# Altium PCB MiniPC.PcbDoc (part 14 of 23)
Units mm, origin at the board's own origin, x right, y up, seen from the top; angles counter-clockwise.
Board outline 175 x 155 mm, 16 copper layers (1_Top, 2_int1_(gnd), 3_int2_(power), 4_int3_(gnd), 5_int4_(sign), 6_int5_(power), 7_int6_(sign), 8_int7_(power), 9_int8_(gnd), 10_int9_(sign), 11_int10_(gnd), 12_int11_(sign), 13_int12_(gnd), 14_int13_(power), 15_int14_(gnd), 16_Bottom), stack 2.008 mm thick; 1046 components, 841 nets, 6010 pads, 4016 vias.
Unrouted connection lines stored in the file: 602.
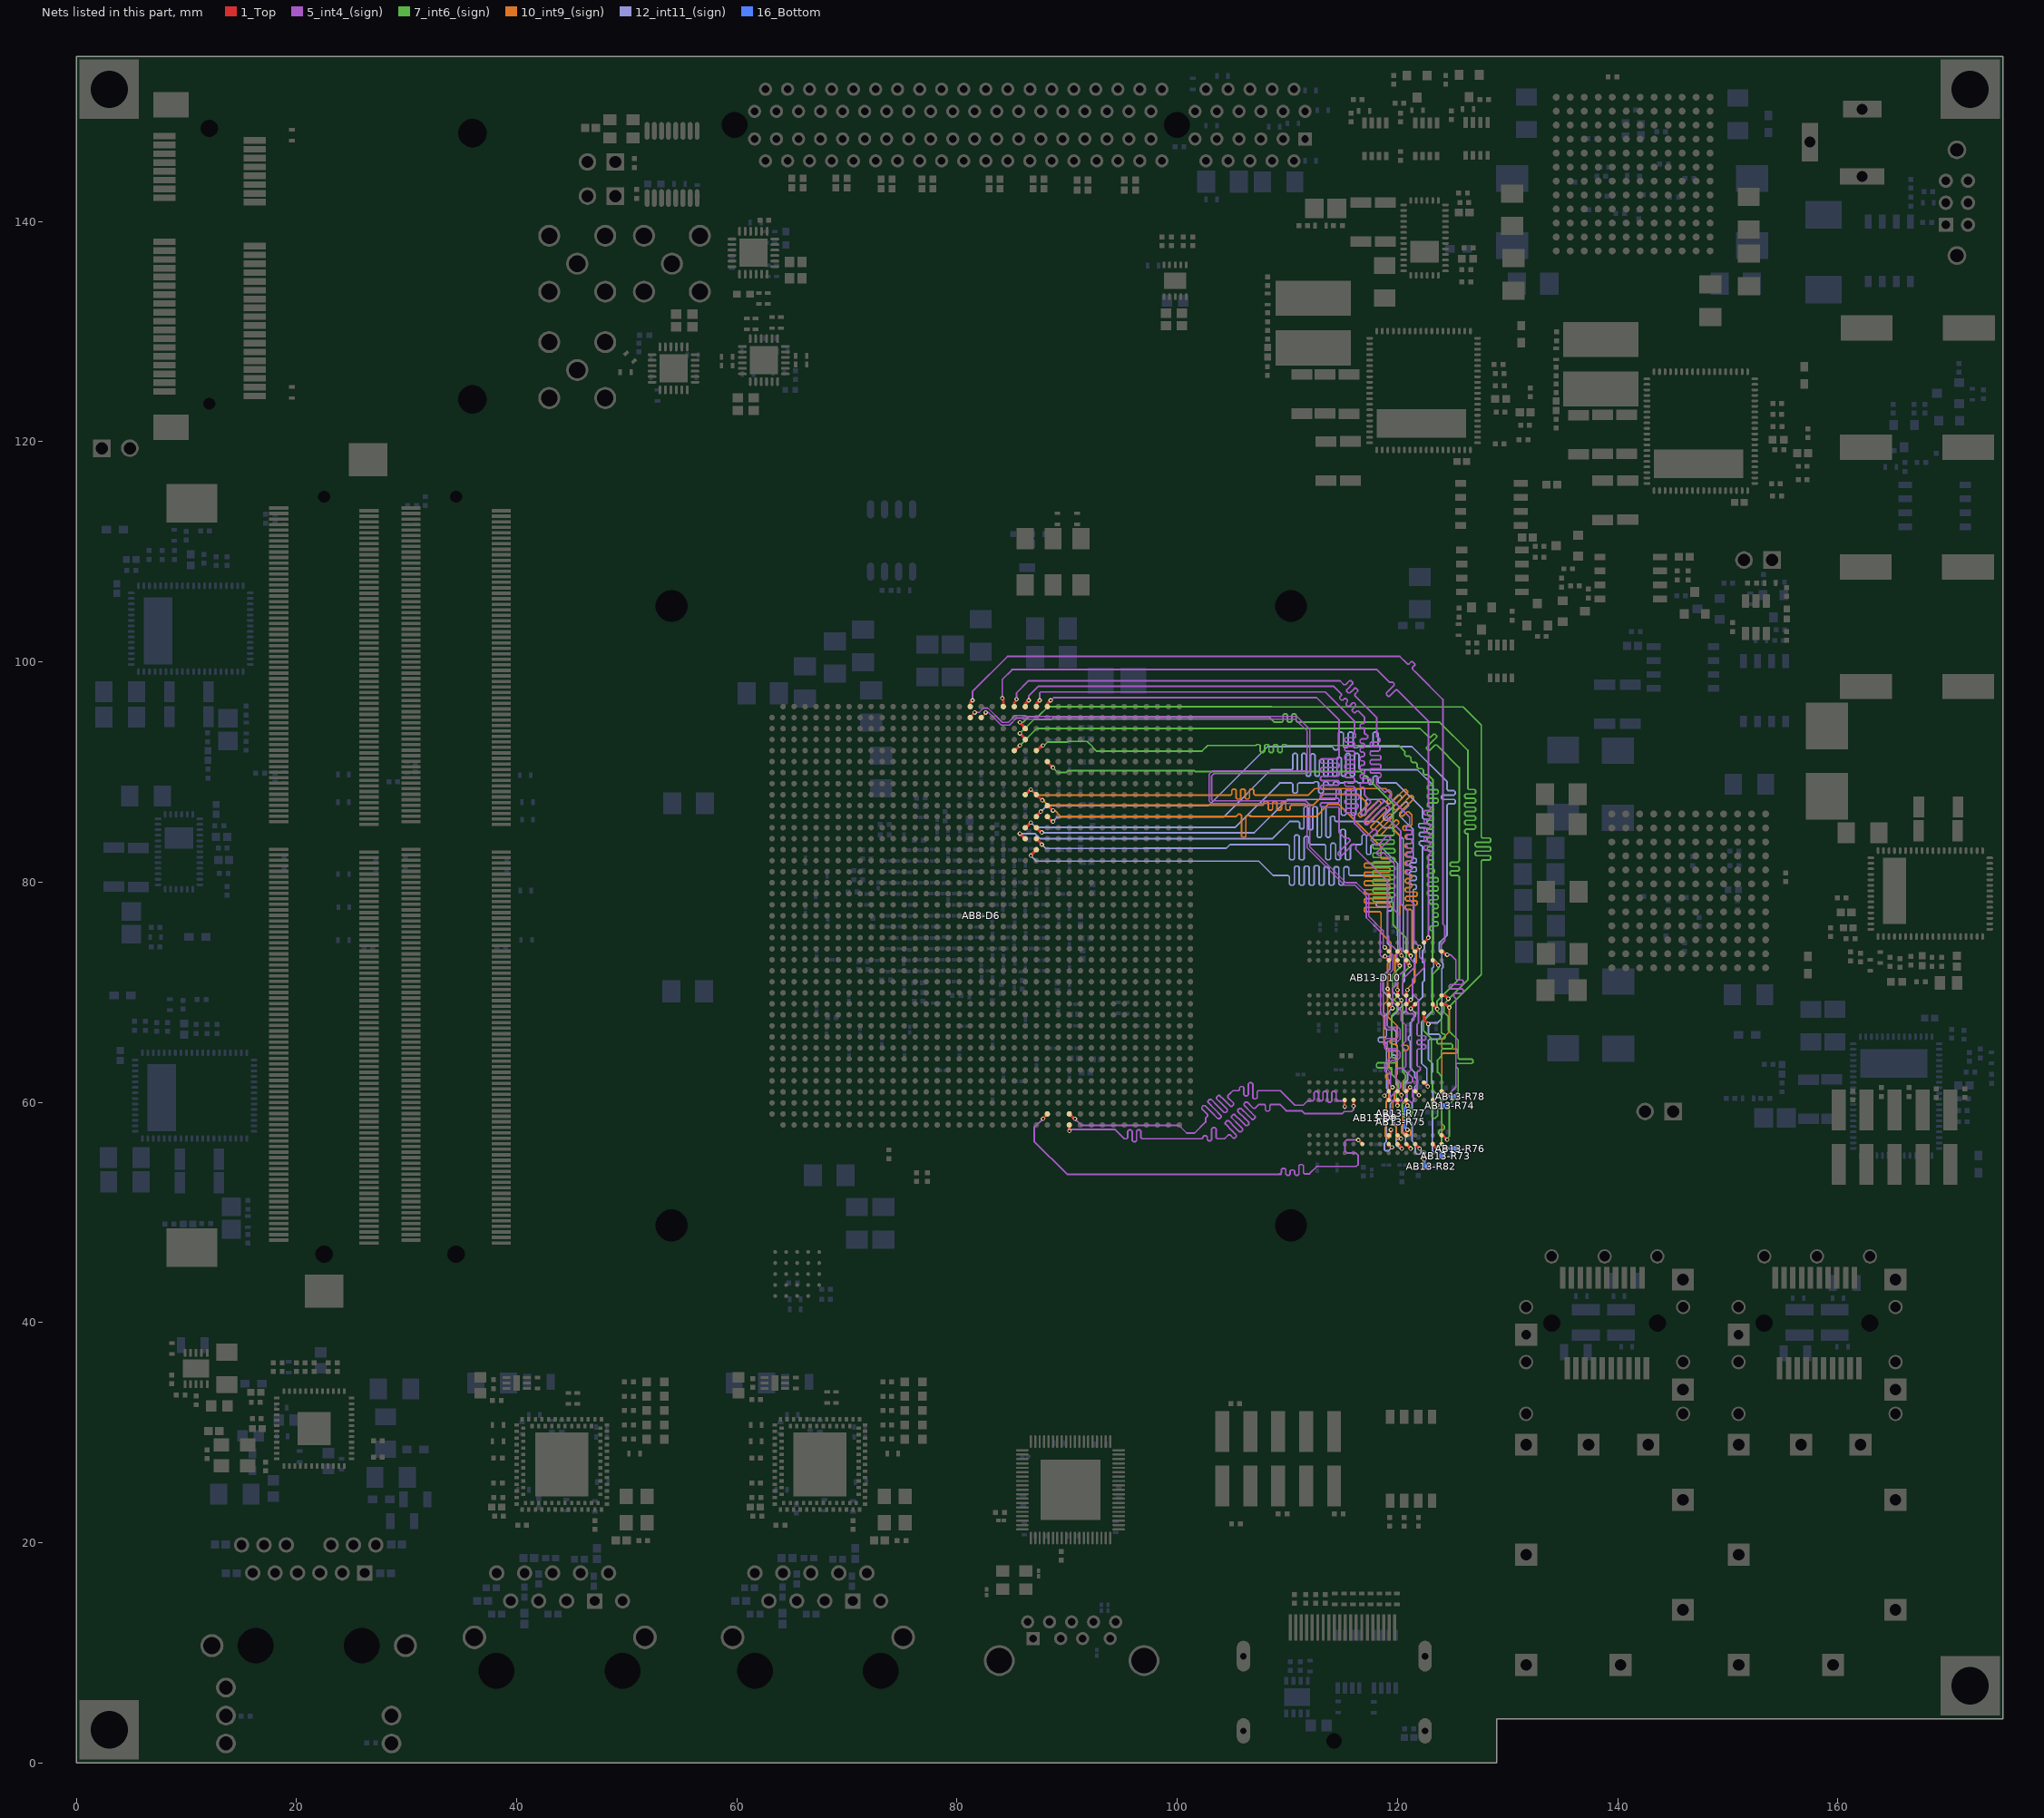
[diagram p28: the nets of this part, all layers, seen from the top]

## Via types
v1: diameter 0.4, hole 0.2, 1_Top to 16_Bottom, tented both sides, 1658 vias
v2: diameter 0.7, hole 0.3, 1_Top to 16_Bottom, tented both sides, 915 vias
v3: diameter 0.5, hole 0.2, 1_Top to 16_Bottom, tented both sides, 854 vias
v4: diameter 0.6, hole 0.2, 1_Top to 16_Bottom, 278 vias
v5: diameter 0.5, hole 0.2, 1_Top to 16_Bottom, 162 vias
v6: diameter 0.4, hole 0.2, 1_Top to 16_Bottom, 100 vias
v7: diameter 0.4/0/0/0/0/0/0/0/0/0/0/0/0/0/0/0.4 (per signal layer), hole 0.2, 1_Top to 16_Bottom, tented both sides, 18 vias
v8: diameter 0.4/0/0/0/0/0/0/0/0/0/0/0.4/0.4/0.4/0.4/0.4 (per signal layer), hole 0.2, 1_Top to 16_Bottom, tented both sides, 16 vias
v9: diameter 0.5, hole 0.254, 1_Top to 16_Bottom, 15 vias

## Nets (pads, with @x,y where several pads share a name; then routed paths per layer and width w, separated by ;. In a path a pad name is that pad's centre, name@x,y a point inside that pad or via, vN(x,y) a via of type N, cw(c..) or ccw(c..) an arc to the next point about the centre after c; other vN are vias at no path point) (continued)
DDR4_INT.ADDR.A8: AB8-D6.E23 AB13-D9.R2 AB13-D10.R2 AB13-R73.2 | length 89.8
  1_Top w0.25: AB8-D6.E23@85.194,91.939 85.239,91.939 v1(85.7,92.4) ; AB13-D9.R2@123.2,56.2 123.222,56.2 v1(123.6,55.822) ; AB13-D10.R2@123.2,68.9 123.6,68.5 v1(123.6,68.478)
  7_int6_(sign) w0.15: v1(85.7,92.4) 87.25,93.95 122.05,93.95 122.775,93.225 122.846,93.154 122.987,93.154 123.266,93.433 123.407,93.433 123.549,93.292 123.549,93.15 123.199,92.801 122.643,92.244 122.643,92.103 122.784,91.961 122.926,91.961 123.411,92.447 123.553,92.447 123.612,92.388 125.6,90.4 125.6,82.4 125.6,82.2 125.6,81.9 125.5,81.8 124.873,81.8 124.773,81.7 124.773,81.5 124.873,81.4 125.5,81.4 125.6,81.3 125.6,81.1 125.5,81 124.873,81 124.773,80.9 124.773,80.7 124.873,80.6 125.5,80.6 125.6,80.5 125.6,80.2 125.6,80.1 125.6,71.201 123.6,69.201 v1(123.6,68.478) 123.6,68.276 123.98,67.896 123.98,66.4 123.98,66.317 124.093,66.205 124.22,66.205 124.332,66.092 124.332,65.867 124.22,65.755 123.98,65.755 123.697,65.755 123.585,65.642 123.585,65.417 123.697,65.305 123.98,65.305 124.878,65.305 124.99,65.192 124.99,64.967 124.878,64.855 124.093,64.855 123.98,64.742 123.98,64.405 123.98,64.18 123.635,63.835 123.635,62.725 124.025,62.335 124.025,58.17 124.025,58.058 124.137,57.945 124.25,57.833 124.25,57.608 124.137,57.495 124.025,57.495 123.868,57.495 123.755,57.383 123.755,57.158 123.868,57.045 123.95,57.045 124.025,56.97 124.025,56.225 123.622,55.822 v1(123.6,55.822)
  16_Bottom w0.25: v1(123.6,55.822) 123.975,55.447 AB13-R73.2@123.975,55.1
DDR4_INT.ADDR.A9: AB8-D6.E25 AB13-D9.R7 AB13-D10.R7 AB13-R74.2 | length 97.4
  1_Top w0.25: AB8-D6.E25@87.194,91.939 87.261,91.939 87.721,92.4 v1(87.8,92.4) ; AB13-D9.R7@123.2,60.2 123.6,59.8 v1(123.6,59.75) ; v1(123.7,72.422) 123.392,72.73 ; 123.392,72.73 123.37,72.73 AB13-D10.R7@123.2,72.9 123.222,72.9 123.392,72.73
  7_int6_(sign) w0.15: v1(87.8,92.4) 87.8,92.3 88.2,92.7 89.984,92.7 90.065,92.781 91.82,92.781 92.3,92.301 92.3,92.245 92.645,91.9 102.25,91.9 102.75,92.4 106.925,92.4 107.125,92.4 107.215,92.49 107.435,92.49 107.525,92.4 107.525,91.869 107.625,91.769 107.825,91.769 107.925,91.869 107.925,92.4 108.015,92.49 108.235,92.49 108.325,92.4 108.325,91.869 108.425,91.769 108.625,91.769 108.725,91.869 108.725,92.4 108.815,92.49 109.035,92.49 109.125,92.4 109.125,91.869 109.225,91.769 109.425,91.769 109.525,91.869 109.525,92.4 109.615,92.49 109.835,92.49 109.925,92.4 111.7,92.4 120.115,92.4 120.3,92.215 120.441,92.074 120.654,91.861 120.654,91.72 120.648,91.715 120.648,91.573 120.789,91.432 120.931,91.432 120.936,91.437 121.078,91.437 121.219,91.296 121.219,91.154 121.214,91.149 121.214,91.007 121.355,90.866 121.497,90.866 121.502,90.872 121.644,90.872 121.785,90.73 121.785,90.589 121.779,90.583 121.779,90.442 121.921,90.3 122.062,90.3 122.068,90.306 122.209,90.306 122.351,90.164 122.351,90.023 122.345,90.018 122.345,89.876 122.487,89.735 122.628,89.735 122.633,89.74 122.775,89.74 122.987,89.528 123.225,89.29 123.225,89.2 123.225,88.9 123.125,88.8 122.8,88.8 122.7,88.7 122.7,88.5 122.8,88.4 123.225,88.4 123.59,88.4 123.69,88.3 123.69,88.1 123.59,88 123.225,88 122.81,88 122.71,87.9 122.71,87.7 122.81,87.6 123.225,87.6 123.59,87.6 123.69,87.5 123.69,87.3 123.59,87.2 123.225,87.2 122.81,87.2 122.71,87.1 122.71,86.9 122.81,86.8 123.125,86.8 123.225,86.7 123.225,86.5 123.125,86.4 122.81,86.4 122.71,86.3 122.71,86.1 122.81,86 123.125,86 123.225,85.9 123.225,85.7 123.125,85.6 122.81,85.6 122.71,85.5 122.71,85.3 122.81,85.2 123.125,85.2 123.225,85.1 123.225,84.9 123.125,84.8 122.81,84.8 122.71,84.7 122.71,84.5 122.81,84.4 123.125,84.4 123.225,84.3 123.225,84.1 123.125,84 122.81,84 122.71,83.9 122.71,83.7 122.81,83.6 123.125,83.6 123.225,83.5 123.225,83.3 123.125,83.2 122.81,83.2 122.71,83.1 122.71,82.9 122.81,82.8 123.125,82.8 123.225,82.7 123.225,82.5 123.125,82.4 122.81,82.4 122.71,82.3 122.71,82.1 122.81,82 123.125,82 123.225,81.9 123.225,81.7 123.125,81.6 122.81,81.6 122.71,81.5 122.71,81.3 122.81,81.2 123.225,81.2 123.232,81.2 123.332,81.1 123.332,80.9 123.232,80.8 123.225,80.8 122.81,80.8 122.71,80.7 122.71,80.5 122.81,80.4 123.225,80.4 123.59,80.4 123.69,80.3 123.69,80.1 123.59,80 123.225,80 122.81,80 122.71,79.9 122.71,79.7 122.81,79.6 123.225,79.6 123.59,79.6 123.69,79.5 123.69,79.3 123.59,79.2 123.225,79.2 122.81,79.2 122.71,79.1 122.71,78.9 122.81,78.8 123.225,78.8 123.59,78.8 123.69,78.7 123.69,78.5 123.59,78.4 123.225,78.4 122.999,78.4 122.899,78.3 122.899,78.1 122.999,78 123.225,78 123.59,78 123.69,77.9 123.69,77.7 123.59,77.6 123.325,77.6 123.225,77.5 123.225,77.3 123.325,77.2 123.59,77.2 123.69,77.1 123.69,76.9 123.59,76.8 123.325,76.8 123.225,76.7 123.225,76.5 123.325,76.4 123.59,76.4 123.69,76.3 123.69,76.1 123.59,76 123.225,76 123.036,76 122.936,75.9 122.936,75.7 123.036,75.6 123.125,75.6 123.225,75.5 123.225,75.4 123.225,74.774 123.175,74.724 123.175,73.124 123.7,72.599 v1(123.7,72.422) 123.7,72.125 123.175,71.6 123.175,70.024 ; 123.175,70.024 123.175,68.175 122.375,67.375 122.375,66.5 123.075,65.8 123.075,61.704 123.164,61.615 123.164,61.116 123.57,60.71 123.57,60.47 123.125,60.025 123.125,58.696 123.281,58.54 123.41,58.54 123.655,58.785 123.655,59.695 v1(123.6,59.75)
  16_Bottom w0.25: v1(123.6,59.75) 123.65,59.7 124.325,59.7 AB13-R74.2@124.475,59.7
DDR4_INT.ADDR.A10: AB8-D6.J24 AB13-D9.M3 AB13-D10.M3 AB13-R75.2 | length 95.8
  1_Top w0.25: AB8-D6.J24@86.194,87.939 86.7,88.445 v1(86.7,88.4) ; AB13-D9.M3@120.8,57 120.8,57.4 v1(120.9,57.5) ; AB13-D10.M3@120.811,69.689 AB13-D10.M3@120.8,69.7 120.8,70.1 v1(120.9,70.2)
  10_int9_(sign) w0.15: v1(86.7,88.4) 87.2,87.9 104.75,87.9 104.85,87.9 104.95,88 104.95,88.333 105.05,88.433 105.25,88.433 105.35,88.333 105.35,87.9 105.35,87.646 105.45,87.546 105.65,87.546 105.75,87.646 105.75,87.9 105.75,88.333 105.85,88.433 106.05,88.433 106.15,88.333 106.15,87.9 106.15,87.646 106.25,87.546 106.45,87.546 106.55,87.646 106.55,87.9 106.55,88.333 106.65,88.433 106.85,88.433 106.95,88.333 106.95,88 107.05,87.9 108.125,87.9 111.9,87.9 112.49,88.49 118.91,88.49 119.1,88.3 119.241,88.159 119.454,87.946 119.454,87.805 119.055,87.406 119.055,87.265 119.196,87.123 119.337,87.123 119.807,87.593 120.621,88.407 120.763,88.407 120.904,88.266 120.904,88.124 120.09,87.31 119.62,86.84 119.62,86.699 119.762,86.557 119.903,86.557 120.373,87.027 121.187,87.841 121.328,87.841 121.47,87.7 121.47,87.559 120.656,86.744 120.186,86.275 120.186,86.133 120.327,85.992 120.469,85.992 120.868,86.391 121.009,86.391 121.221,86.179 121.3,86.1 121.3,85.9 121.3,85.5 121.3,85.2 121.2,85.1 120.6,85.1 120.5,85 120.5,84.8 120.6,84.7 121.2,84.7 121.3,84.6 121.3,84.4 121.2,84.3 120.816,84.3 120.716,84.2 120.716,84 120.816,83.9 121.2,83.9 121.3,83.8 121.3,83.6 121.2,83.5 120.816,83.5 120.716,83.4 120.716,83.2 120.816,83.1 121.2,83.1 121.3,83 121.3,82.8 121.2,82.7 120.816,82.7 120.716,82.6 120.716,82.4 120.816,82.3 121.2,82.3 121.3,82.2 121.3,82 121.2,81.9 120.816,81.9 120.716,81.8 120.716,81.6 120.816,81.5 121.2,81.5 121.3,81.4 121.3,81.2 121.2,81.1 120.816,81.1 120.716,81 120.716,80.8 120.816,80.7 121.2,80.7 121.3,80.6 121.3,80.4 121.2,80.3 120.816,80.3 120.716,80.2 120.716,80 120.816,79.9 121.2,79.9 121.3,79.8 121.3,79.6 121.2,79.5 120.816,79.5 120.716,79.4 120.716,79.2 120.816,79.1 121.3,79.1 121.684,79.1 121.784,79 121.784,78.8 121.684,78.7 121.3,78.7 120.816,78.7 120.716,78.6 120.716,78.4 120.816,78.3 121.3,78.3 121.684,78.3 121.784,78.2 121.784,78 121.684,77.9 121.3,77.9 120.816,77.9 120.716,77.8 120.716,77.6 120.816,77.5 121.2,77.5 121.3,77.4 121.3,77.3 121.3,74 121.699,73.601 121.699,72.701 121.575,72.576 121.575,70.975 120.9,70.3 121,70.2 v1(120.9,70.2) 120.775,70.075 120.775,69.448 120.775,69.096 120.475,68.796 120.475,65.4 120.475,65.287 120.587,65.175 120.865,65.175 120.977,65.063 120.977,64.838 120.865,64.725 120.587,64.725 120.475,64.613 120.475,64.275 120.475,64.2 120.475,62.726 120.725,62.476 120.725,62.124 120.5,61.899 120.5,61.101 120.825,60.776 120.825,60.326 120.475,59.976 120.475,58.003 120.37,57.898 120.37,57.23 120.475,57.125 ; 120.476,57.125 120.601,57 121.14,57 121.21,57.07 121.21,57.38 121.09,57.5 v1(120.9,57.5) 120.932,57.532 v1@120.932,57.546
  16_Bottom w0.25: AB13-R75.2@120.725,58.2 120.725,57.675 v1(120.9,57.5)
DDR4_INT.ADDR.A11: AB8-D6.C24 AB13-D9.T2 AB13-D10.T2 AB13-R76.2 | length 95.7
  1_Top w0.25: v1(85.7,94.5) 85.7,94.479 86.239,93.939 AB8-D6.C24@86.194,93.939 ; AB13-D9.T2@124,56.2 v1(124.4,55.8) ; AB13-D10.T2@124,68.9 124.4,68.9 v1(124.7,68.6)
  7_int6_(sign) w0.15: v1(85.7,94.5) 86,94.5 86.53,95.03 87.355,95.03 88.25,95.925 108.575,95.925 108.6,95.9 125.95,95.9 127.6,94.25 127.6,84.2 127.6,84.1 127.7,84 128.354,84 128.454,83.9 128.454,83.7 128.354,83.6 127.6,83.6 127.161,83.6 127.061,83.5 127.061,83.3 127.161,83.2 127.6,83.2 128.354,83.2 128.454,83.1 128.454,82.9 128.354,82.8 127.6,82.8 127.161,82.8 127.061,82.7 127.061,82.5 127.161,82.4 127.6,82.4 128.354,82.4 128.454,82.3 128.454,82.1 128.354,82 127.7,82 127.6,81.9 127.6,81.5 127.6,71.6 124.6,68.6 v1(124.7,68.6)
  10_int9_(sign) w0.15: v1(124.4,55.8) 124,56.2 124,56.443 124.003,56.446 124.003,56.798 124.025,56.82 124.025,63.85 124.025,64.05 124.025,64.35 124.125,64.45 125.323,64.45 125.423,64.55 125.423,64.75 125.323,64.85 124.125,64.85 124.025,64.95 124.025,65.3 124.025,65.725 124.7,66.4 v1(124.7,68.6)
  16_Bottom w0.25: v1(124.4,55.8) AB13-R76.2@125.275,55.8
DDR4_INT.ADDR.A12: AB8-D6.F26 AB13-D9.M7 AB13-D10.M7 AB13-R77.2 | length 97
  1_Top w0.25: AB8-D6.F26@88.194,90.939 88.194,90.906 v1(88.7,90.4) ; AB13-D9.M7@120.8,60.2 120.8,59.7 v1(120.9,59.7) ; AB13-D10.M7@120.8,72.9 120.8,72.7 v1(121.1,72.4)
  7_int6_(sign) w0.15: v1(88.7,90.4) 88.7,90.375 89.125,89.95 89.88,89.95 90.055,90.125 101.529,90.125 101.629,90.025 116.675,90.025 119.6,87.1 119.6,87 119.6,84.64 119.606,84.634 119.6,84.634 119.7,84.534 119.7,84.334 119.6,84.234 117.854,84.234 117.754,84.134 117.754,83.934 117.854,83.834 119.6,83.834 119.7,83.734 119.7,83.534 119.6,83.434 117.854,83.434 117.754,83.334 117.754,83.134 117.854,83.034 119.6,83.034 119.646,83.034 119.746,82.934 119.746,82.734 119.646,82.634 119.6,82.634 117.854,82.634 117.754,82.534 117.754,82.334 117.854,82.234 119.6,82.234 119.646,82.234 119.746,82.134 119.746,81.934 119.646,81.834 119.6,81.834 117.854,81.834 117.754,81.734 117.754,81.534 117.854,81.434 119.6,81.434 119.646,81.434 119.746,81.334 119.746,81.134 119.646,81.034 119.6,81.034 117.854,81.034 117.754,80.934 117.754,80.734 117.854,80.634 119.6,80.634 119.646,80.634 119.746,80.534 119.746,80.334 119.646,80.234 119.6,80.234 117.854,80.234 117.754,80.134 117.754,79.934 117.854,79.834 119.6,79.834 119.646,79.834 119.746,79.734 119.746,79.534 119.646,79.434 119.6,79.434 117.854,79.434 117.754,79.334 117.754,79.134 117.854,79.034 119.6,79.034 119.646,79.034 119.746,78.934 119.746,78.734 119.646,78.634 119.6,78.634 117.854,78.634 117.754,78.534 117.754,78.334 117.854,78.234 119.5,78.234 119.6,78.134 119.6,78.034 119.6,76.1 120.775,74.925 120.775,73.124 121.1,72.799 v1(121.1,72.4) 121.1,72.3 120.475,71.675 120.475,69.826 120.775,69.526 120.775,69.124 120.775,69.074 120.475,68.774 120.475,62.726 120.725,62.476 120.725,62.124 120.575,61.974 120.575,61.225 120.825,60.975 120.825,60.225 120.425,59.825 120.425,58.835 120.67,58.59 121.11,58.59 121.325,58.805 121.325,59.275 v1(120.9,59.7) v1@120.825,59.775
  16_Bottom w0.25: AB13-R77.2@120.725,59 120.725,59.525 v1(120.9,59.7)
DDR4_INT.ADDR.A13: AB8-D6.A19 AB13-D9.T8 AB13-D10.T8 AB13-R78.2 | length 91
  1_Top w0.25: AB8-D6.A19@81.194,95.939 81.194,96.294 v1(81.4,96.5) ; AB13-D9.T8@124,61 124.1,61 v1(124.5,60.6) ; AB13-D10.T8@124,73.7 124.1,73.7 124.4,73.4 v1(124.5,73.4)
  5_int4_(sign) w0.15: v1(81.4,96.5) 81.4,97.321 84.579,100.5 120.2,100.5 120.805,99.895 120.902,99.798 121.032,99.798 121.237,100.004 121.367,100.004 121.561,99.809 121.561,99.68 121.356,99.474 121.356,99.344 121.705,98.995 124.125,96.575 124.125,87.589 124.125,76.175 124.3,76 124.3,74.701 123.975,74.376 123.975,73.825 124.4,73.4 v1(124.5,73.4) 124.8,73.4 125.3,72.9 125.3,71.96 125.3,71.2 125.4,71.1 125.872,71.1 125.972,71 125.972,70.8 125.872,70.7 125.3,70.7 124.801,70.7 124.701,70.6 124.701,70.4 124.801,70.3 125.3,70.3 125.872,70.3 125.972,70.2 125.972,70 125.872,69.9 125.3,69.9 125.2,69.9 125.1,69.8 125.1,69.6 125.2,69.5 125.3,69.4 125.3,69.3 125.3,61.4 v1(124.5,60.6)
  16_Bottom w0.25: v1(124.5,60.6) 124.6,60.5 AB13-R78.2@125.275,60.5
DDR4_INT.ADDR.BA0: AB8-D6.M24 AB13-D9.N2 AB13-D10.N2 | length 84.1
  1_Top w0.25: AB8-D6.M24@86.194,84.939 86.239,84.939 v1(86.7,85.4) ; v1(121.2,68.5) AB13-D10.N2@121.6,68.9 ; AB13-D9.N2@121.6,56.2 122,55.8 v1(122,55.79)
  12_int11_(sign) w0.15: v1(86.7,85.4) 87.13,84.97 105.27,84.97 109.3,89 109.8,89 110.025,89 110.362,89 110.475,88.888 110.475,88.197 110.587,88.085 110.812,88.085 110.925,88.197 110.925,88.888 111.037,89 111.375,89 111.7,89 111.925,89 112.375,89 112.485,89.11 112.715,89.11 112.825,89 112.825,88.197 112.937,88.085 113.162,88.085 113.275,88.197 113.275,89 113.385,89.11 113.615,89.11 113.725,89 113.725,88.915 113.837,88.803 114.062,88.803 114.175,88.915 114.175,89 114.285,89.11 114.515,89.11 114.625,89 115.075,89 115.185,89.11 115.415,89.11 115.525,89 115.97,89 115.975,89.005 116.087,89.117 116.312,89.117 116.425,89.005 116.43,89 116.762,89 116.875,89.112 116.875,89.503 116.987,89.615 117.212,89.615 117.325,89.503 117.325,89 117.437,88.888 117.662,88.888 117.775,89 117.775,89.503 117.887,89.615 118.112,89.615 118.225,89.503 118.225,89.112 118.337,89 119.9,89 122.275,86.625 122.275,85.925 122.275,85.825 122.375,85.725 122.571,85.725 122.671,85.625 122.671,85.425 122.571,85.325 122.275,85.325 122.013,85.325 121.913,85.225 121.913,85.025 122.013,84.925 122.275,84.925 122.571,84.925 122.671,84.825 122.671,84.625 122.571,84.525 122.275,84.525 122.079,84.525 121.979,84.425 121.979,84.225 122.079,84.125 122.275,84.125 122.571,84.125 122.671,84.025 122.671,83.825 122.571,83.725 122.275,83.725 122.079,83.725 121.979,83.625 121.979,83.425 122.079,83.325 122.175,83.325 122.275,83.225 122.275,82.85 122.275,74.725 122.425,74.575 122.425,73.924 122.275,73.774 122.275,72.726 122.425,72.576 122.425,71.05 122.275,70.9 122.275,70.124 122.275,69.575 v1(121.2,68.5) 121.625,68.075 121.625,67.862 121.325,67.562 121.325,67.374 121.17,67.219 121.17,66.7 121.17,66.475 121.17,66.098 121.097,66.025 120.985,65.913 120.985,65.688 121.097,65.575 121.17,65.502 121.17,65.125 121.17,64.92 121.17,64.695 121.17,64.245 121.17,63.795 121.17,63.345 121.17,63.31 121.17,63.111 121.564,62.718 121.564,62.279 121.825,62.018 121.825,61.663 121.564,61.402 121.564,60.964 121.425,60.825 121.425,60.075 121.325,59.975 121.325,59.776 121.325,59.424 121.325,58.987 121.075,58.737 121.075,58.363 121.325,58.113 121.325,57.676 121.325,57.324 ; 121.325,57.324 121.325,56.475 121.613,56.187 121.613,55.467 121.8,55.28 121.99,55.28 122.14,55.43 122.14,55.65 v1(122,55.79) v1@122,55.8
DDR4_INT.ADDR.BA1: AB8-D6.A23 AB13-D9.N8 AB13-D10.N8 | length 92.1
  1_Top w0.25: AB8-D6.A23@85.194,95.939 85.194,96.294 85.4,96.5 v1(85.4,96.6) ; AB13-D9.N8@121.6,61 121.939,60.661 v1(121.939,60.639) ; AB13-D10.N8@121.6,73.7 v1(122,74.1)
  5_int4_(sign) w0.15: v1(85.4,96.6) 85.4,97.179 86.501,98.28 114.77,98.28 115.063,97.988 115.133,97.917 115.275,97.917 115.638,98.28 115.779,98.28 115.921,98.139 115.921,97.997 115.487,97.563 115.382,97.459 115.382,97.317 115.524,97.176 115.665,97.176 115.77,97.28 116.096,97.607 116.237,97.607 116.379,97.465 116.379,97.324 116.123,97.068 116.123,96.927 116.313,96.738 118.1,94.95 118.1,93.3 118.1,93.2 118.2,93.1 118.3,93.1 118.4,93 118.4,92.8 118.3,92.7 118.1,92.7 117.61,92.7 117.51,92.6 117.51,92.4 117.61,92.3 118.1,92.3 118.3,92.3 118.4,92.2 118.4,92 118.3,91.9 118.1,91.9 117.61,91.9 117.51,91.8 117.51,91.6 117.61,91.5 118.1,91.5 118.39,91.5 118.49,91.4 118.49,91.2 118.39,91.1 118.1,91.1 117.61,91.1 117.51,91 117.51,90.8 117.61,90.7 118.1,90.7 118.39,90.7 118.49,90.6 118.49,90.4 118.39,90.3 118.1,90.3 117.61,90.3 117.51,90.2 117.51,90 117.61,89.9 118.1,89.9 118.4,89.9 118.5,89.8 118.5,89.6 118.4,89.5 118.2,89.5 118.1,89.4 118.1,89.3 118.1,88.9 118.715,88.285 118.812,88.188 118.942,88.188 119.124,88.37 119.254,88.37 119.448,88.176 119.448,88.046 119.266,87.864 119.266,87.734 119.545,87.455 121.1,85.9 121.1,85.7 121.1,85.5 121.1,85.2 121,85.1 120.895,85.1 120.795,85 120.795,84.8 120.895,84.7 121.1,84.7 121.265,84.7 121.365,84.6 121.365,84.4 121.265,84.3 121.1,84.3 120.935,84.3 120.835,84.2 120.835,84 120.935,83.9 121.1,83.9 121.265,83.9 121.365,83.8 121.365,83.6 121.265,83.5 121.1,83.5 120.935,83.5 120.835,83.4 120.835,83.2 120.935,83.1 121.1,83.1 121.265,83.1 121.365,83 121.365,82.8 121.265,82.7 121.1,82.7 120.935,82.7 120.835,82.6 120.835,82.4 120.935,82.3 121.1,82.3 121.265,82.3 121.365,82.2 121.365,82 121.265,81.9 121.1,81.9 120.935,81.9 120.835,81.8 120.835,81.6 120.935,81.5 121.1,81.5 121.265,81.5 121.365,81.4 121.365,81.2 121.265,81.1 121.1,81.1 120.935,81.1 120.835,81 120.835,80.8 120.935,80.7 121,80.7 121.1,80.6 121.1,80.4 121.1,78.4 121.5,78 121.5,74.6 v1(122,74.1) ; v1(121.939,60.639) v1@121.939,60.661 ; v1(122,74.1) 122,73.2 122.425,72.775 122.425,72.224 121.375,71.174 121.375,69.825 121.9,69.3 121.9,67.2 121.765,67.065 121.765,66.5 121.765,66.44 121.765,66.14 121.865,66.04 122.465,66.04 122.565,65.94 122.565,65.74 122.465,65.64 121.865,65.64 121.765,65.54 121.765,65.34 121.865,65.24 122.465,65.24 122.565,65.14 122.565,64.94 122.465,64.84 121.865,64.84 121.765,64.74 121.765,64.44 121.765,64.24 121.765,63.44 121.765,63.34 121.865,63.24 121.975,63.24 122.075,63.14 122.075,62.94 121.975,62.84 121.865,62.84 121.765,62.74 121.765,62.52 121.765,60.914 ; 121.765,60.914 121.765,60.835 v1@121.939,60.661 ; 121.765,60.914 121.939,60.74 v1@121.939,60.661
DDR4_INT.ADDR.BG0: AB8-D6.N24 AB13-D9.M2 | length 84
  1_Top w0.25: v1(85.7,84.4) 85.9,84.2 ; AB13-D9.M2@120.8,56.2 121.1,55.9 121.165,55.9 121.104,55.839 121.152,55.79 v1(121.188,55.79) ; 85.9,84.2 86.161,83.939 AB8-D6.N24@86.194,83.939 85.933,84.2 85.9,84.2
  12_int11_(sign) w0.15: v1(85.7,84.4) 87.079,84.4 87.528,83.95 108.65,83.95 110.2,85.5 110.5,85.5 110.7,85.5 111,85.5 111.1,85.4 111.1,84.938 111.2,84.838 111.4,84.838 111.5,84.938 111.5,85.5 111.5,86.74 111.6,86.84 111.8,86.84 111.9,86.74 111.9,85.5 111.9,84.851 112,84.751 112.2,84.751 112.3,84.851 112.3,85.5 112.3,86.74 112.4,86.84 112.6,86.84 112.7,86.74 112.7,85.5 112.7,84.16 112.8,84.06 113,84.06 113.1,84.16 113.1,85.5 113.1,86.74 113.2,86.84 113.4,86.84 113.5,86.74 113.5,85.5 113.5,84.16 113.6,84.06 113.8,84.06 113.9,84.16 113.9,85.5 113.9,85.882 114,85.982 114.2,85.982 114.3,85.882 114.3,85.6 114.4,85.5 118.2,85.5 118.782,84.918 119.542,84.918 120.526,83.934 120.526,73.753 120.775,73.504 120.775,73.152 120.625,73.002 120.625,70.975 120.475,70.825 120.475,69.826 120.775,69.526 120.775,68.352 120.475,68.052 120.475,63.025 120.9,62.6 120.9,62 120.625,61.725 120.625,60.976 120.825,60.776 120.825,60.326 120.475,59.976 120.475,57.324 120.725,57.074 120.725,56.524 120.725,56.374 121.188,55.911 v1(121.188,55.79)
DDR4_INT.ADDR.BG1: AB8-D6.M25 AB13-D10.M2 | length 77.3
  1_Top w0.25: AB8-D6.M25@87.194,84.939 87.633,84.5 v1(87.7,84.5) ; AB13-D10.M2@120.8,68.9 v1(121.2,69.3)
  12_int11_(sign) w0.15: v1(87.7,84.5) 87.725,84.475 88.705,84.475 88.72,84.46 105.482,84.46 105.496,84.475 106.975,84.475 110,87.5 114.2,87.5 114.312,87.5 114.425,87.612 114.425,88.332 114.537,88.445 114.762,88.445 114.875,88.332 114.875,87.5 114.875,86.168 114.987,86.055 115.212,86.055 115.325,86.168 115.325,87.5 115.325,88.332 115.437,88.445 115.662,88.445 115.775,88.332 115.775,87.5 115.775,86.168 115.887,86.055 116.112,86.055 116.225,86.168 116.225,87.5 116.225,88.332 116.337,88.445 116.562,88.445 116.675,88.332 116.675,87.5 116.675,86.168 116.787,86.055 117.012,86.055 117.125,86.168 117.125,87.388 117.237,87.5 117.575,87.5 117.7,87.5 118.7,87.5 118.859,87.341 119.098,87.102 119.257,87.102 120.055,87.9 120.214,87.9 120.373,87.741 120.373,87.582 119.495,86.705 118.718,85.927 118.718,85.768 118.877,85.609 119.036,85.609 119.814,86.386 120.691,87.264 120.85,87.264 121.01,87.105 121.01,86.946 120.211,86.148 120.211,85.989 120.45,85.75 121.425,84.775 121.425,82.35 121.425,82.25 121.525,82.15 121.618,82.15 121.718,82.05 121.718,81.85 121.618,81.75 121.425,81.75 121.183,81.75 121.083,81.65 121.083,81.45 121.183,81.35 121.425,81.35 121.618,81.35 121.718,81.25 121.718,81.05 121.618,80.95 121.425,80.95 121.183,80.95 121.083,80.85 121.083,80.65 121.183,80.55 121.425,80.55 121.618,80.55 121.718,80.45 121.718,80.25 121.618,80.15 121.425,80.15 121.183,80.15 121.083,80.05 121.083,79.85 121.183,79.75 121.425,79.75 121.618,79.75 121.718,79.65 121.718,79.45 121.618,79.35 121.525,79.35 121.425,79.25 121.425,78.825 121.425,73.676 121.625,73.476 121.625,73.124 121.525,73.024 121.525,72.576 ; v1(121.2,69.3) 121.375,69.475 121.375,70.725 121.525,70.875 121.525,72.576